# Altium PCB RSD_M1_HELMET_UNIT_POWER_V2.PcbDoc (part 1 of 2) (continued)
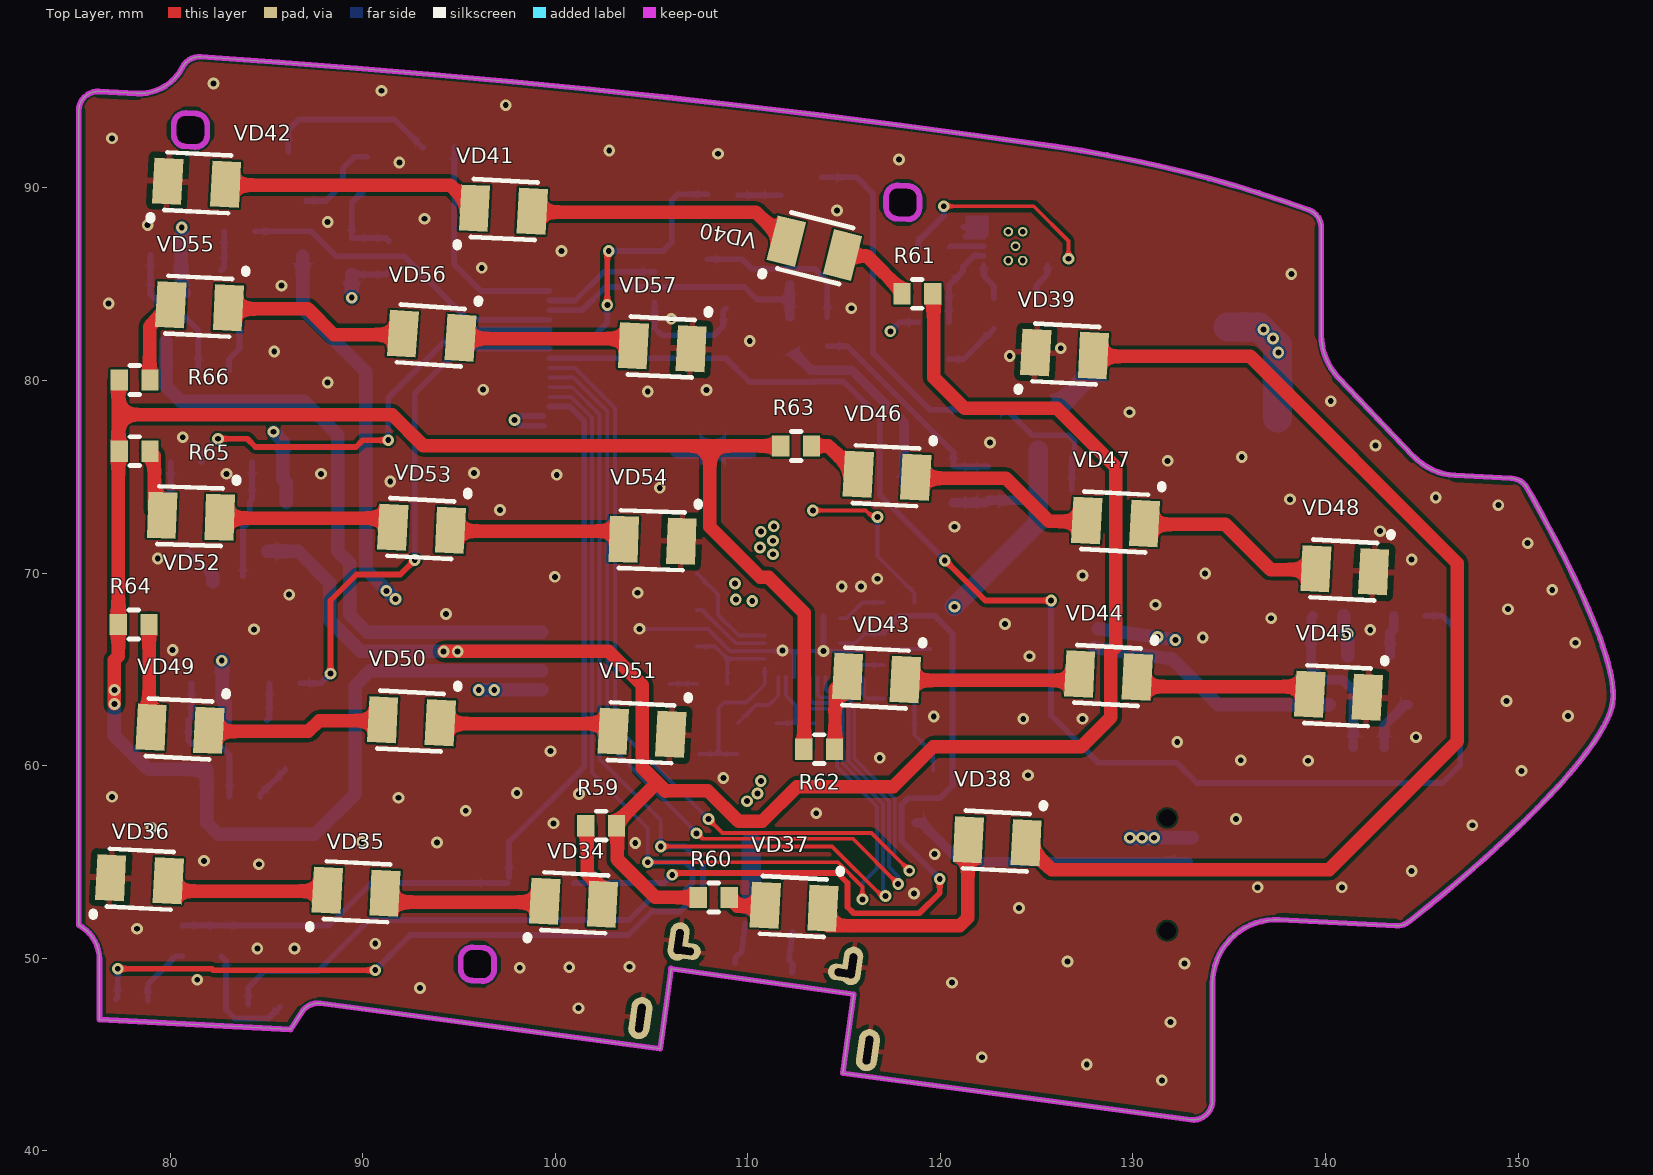
[diagram p0: Top Layer view]
## Design rules (kind name [scope] priority, off if disabled: settings)
Clearance [All] p1: gap=0.1 ignorepadtopadclearanceinfootprint=FALSE except(0: Arc-Hole Track-Hole SMDPad-Hole THPad-Hole Via-Hole Fill-Hole Poly-Hole Region-Hole Text-Hole; 0.2: Track-Poly; 0.254: THPad-THPad THPad-Via THPad-Fill THPad-Region THPad-Text Via-Via Via-Fill Via-Region Via-Text Fill-Fill Fill-Region Fill-Text Region-Region Region-Text Text-Text)
PolygonConnect [All] p1: thpad.connectstyle=Relief thpad.reliefconductorwidth=0.254 thpad.reliefentries=4 thpad.polygonreliefangle="90 Angle" thpad.airgapwidth=0.254 smdpad.connectstyle=Relief smdpad.reliefconductorwidth=0.3 smdpad.reliefentries=4 smdpad.polygonreliefangle="90 Angle" smdpad.airgapwidth=0.3 via.connectstyle=Direct via.reliefconductorwidth=0.254 via.reliefentries=4 via.polygonreliefangle="90 Angle" via.airgapwidth=0.254
RoutingVias [All] p1: holewidth=0.711 width=1.27 viastyle="Through Hole" minholewidth=0.711 minwidth=1.27 maxholewidth=0.711 maxwidth=1.27
SolderMaskExpansion [All] p1: expansion=0.102
Width [All] p1: maxlimit=2 minlimit=0.1 preferedwidth=0.3
30 further rules are at their usual default settings.

## Classes and differential pairs
component class RSD_M1_HELMET_UNIT_POWER_STOP_LIGHT_V2: R59 R60 R61 R62 R63 R64 R65 R66 VD34 VD35 VD36 VD37 VD38 VD39 VD40 VD41 VD43 VD44 VD45 VD46 VD47 VD48 VD49 VD50 VD51 VD52 VD53 VD54 VD55 VD56 VD57
component class RSD_M1_HELMET_UNIT_POWER_V2: C13 C14 C15 C16 C17 C18 C19 C20 C21 C22 C23 C24 DA2 DA3 L2 L3 R13 R14 R15 R16 R17 R18 R19 R20 R21 R22 R23 R24 R25 R28 R29 R30 R31 R32 R33 R34 R35 R36 R37 R38 R39 R40 R41 R42 R43 R44 R45 R46 R47 R48 R49 R50 R67 R68 R69 VD3 VD4 VD6 VD7 VD8 VD9 VT6 VT7 VT8 VT9 VT10 VT11 VT12 VT13 VT14 VT15 VT16 VT17 VT18 VT19 VT20 X4 X6 X7 X10

## Components (designator, comment, footprint, x,y, rotation, side; value= is the part's Value field where it differs from the comment)
C13 "Capacitor" CAP0603 117.85,68.7 r0 bottom value="100 nF"
C14 "Capacitor" CAP0603 113.4,70 r180 bottom value="1 uF"
C15 "47 uF" tantal_case_B 113.375,72.15 r0 bottom value=TPSC476K016R0350
C16 "22 uF" tantal_case_B 113.4,56.325 r0 bottom value=TAJB226K016RNJ
C17 "Capacitor" CAP0603 112.525,58.975 r180 bottom value="4.7 uF"
C18 "Capacitor" CAP0603 117.85,65.225 r180 bottom value="100 nF"
C19 "Capacitor" CAP0603 117.85,66.875 r180 bottom value="1 uF"
C20 "Capacitor" CAP0603 105.125,64.25 r0 bottom value="33 pF"
C21 "Capacitor_Polar" tantal_case_B 136.025,77.775 r180 bottom value="22 uF T491B226M016AT"
C22 "Capacitor" CAP0603 122.775,83.475 r270 bottom value="2.2 nF"
C23 "10 uF" tantal_case_A 129.55,80.55 r0 bottom value=TAJA106M016RNJ
C24 "Capacitor" CAP0603 124.975,83.475 r90 bottom value="10 nF"
DA2 "MP2639" MP2639 112.825,66.35 r270 bottom value=MP2639A
DA3 "MP3213" MP3213 123.9,86.975 r0 bottom
L2 "coil" LQH5BP 112.05,76.675 r180 bottom value="4.7 uH LQH5"
L3 "coil" inductor_SRP5015TA 129.525,85.55 r90 bottom value="4.7 uH SRP5015TA"
R13 "Resistor" Res0603 83,69.55 r0 bottom value="1 kOm"
R14 "Resistor" Res0603 85.05,75.75 r0 bottom value="1 kOm"
R15 "Resistor" Res0603 80.825,75.75 r0 bottom value="1 kOm"
R16 "Resistor" Res0603 111.475,61.4 r90 bottom value="27.4 kOm"
R17 "Resistor" Res0603 117.85,63.475 r180 bottom value="100 Om"
R18 "Resistor" Res0603 117.85,61.6 r0 bottom value="1 kOm"
R19 "Resistor" Res0603 113.475,61.4 r90 bottom value="10 kOm"
R20 "Resistor" Res0603 106.55,68.075 r0 bottom value="350 kOm"
R21 "Resistor" Res0603 106.55,69.975 r180 bottom value="200 kOm"
R22 "Resistor" Res0603 109.475,61.4 r90 bottom value="10 kOm"
R23 "Resistor" Res0603 83.875,58.375 r180 bottom value="1 kOm"
R24 "Resistor" Res0603 81.9,64.275 r0 bottom value="1 kOm"
R25 "Resistor" Res0603 108.15,64.25 r0 bottom value="10 kOm"
R28 "Resistor" Res0603 80.625,50.9 r90 bottom value="150 Om"
R29 "Resistor" Res0603 82.65,50.9 r90 bottom value="150 Om"
R30 "Resistor" Res0603 85.95,64.275 r0 bottom value="1 kOm"
R31 "Resistor" Res0603 106.55,66.175 r0 bottom value="40.2 kOm"
R32 "Resistor" Res0603 107.475,61.4 r270 bottom value="15 kOm"
R33 "Resistor" Res0603 82.25,80.5 r180 bottom value="1 kOm"
R34 "Resistor" Res0603 79.775,86.525 r0 bottom value="1 kOm"
R35 "Resistor" Res0603 83.6,87.75 r0 bottom value="1 kOm"
R36 "Resistor" Res0603 121.875,78.475 r0 bottom value="1 kOm"
R37 "Resistor" Res0603 125.925,74.325 r180 bottom value="1 kOm"
R38 "Resistor" Res0603 122.475,74.575 r270 bottom value="10 kOm"
R39 "Resistor" Res0603 114.15,82.5 r270 bottom value="1 kOm"
R40 "Resistor" Res0603 108.7,89.625 r180 bottom value="1 kOm"
R41 "Resistor" Res0603 105.15,84.85 r90 bottom value="1 kOm"
R42 "Resistor" Res0603 119.65,86.9 r0 bottom value="100 kOm"
R43 "Resistor" Res0603 119.65,83.025 r0 bottom value="86.6 kOm"
R44 "Resistor" Res0603 142.25,60.95 r180 bottom value="1 kOm"
R45 "Resistor" Res0603 140.15,67.775 r0 bottom value="1 kOm"
R46 "Resistor" Res0603 112.175,82.525 r270 bottom value="1 kOm"
R47 "Resistor" Res0603 144.35,67.775 r0 bottom value="1 kOm"
R48 "Resistor" Res0603 119.65,84.95 r180 bottom value="10 kOm"
R49 "Resistor" Res0603 112.125,85.775 r270 bottom value="1 kOm"
R50 "Resistor" Res0603 119.65,81.1 r180 bottom value="15 kOm"
R59 "Resistor" Res0603 102.375,56.875 r0 top value="200 Om"
R60 "Resistor" Res0603 108.225,53.15 r180 top value="200 Om"
R61 "Resistor" Res0603 118.8,84.5 r0 top value="200 Om"
R62 "Resistor" Res0603 113.7,60.85 r180 top value="200 Om"
R63 "Resistor" Res0603 112.5,76.6 r180 top value="200 Om"
R64 "Resistor" Res0603 78.1,67.325 r180 top value="200 Om"
R65 "Resistor" Res0603 78.15,76.325 r180 top value="200 Om"
R66 "Resistor" Res0603 78.15,80.025 r180 top value="200 Om"
R67 "Resistor" Res0603 90.225,90.825 r270 bottom value="1 kOm"
R68 "Resistor" Res0603 91.35,86.45 r270 bottom value="1 kOm"
R69 "Resistor" Res0603 93.95,92.1 r0 bottom value="1 kOm"
VD3 "Schottky" SMB1 106.425,74.425 r270 bottom value=STPS340U
VD4 "Diode" SMA-F 99.25,53.9 r0 bottom value=SS14
VD7 "LED" "LED 0603" 77.994,47.823 r267 bottom value=ASMT-CW00
VD8 "LED" "LED 0603" 84.859,47.528 r266 bottom value=ASMT-CW00
VD9 "Schottky" SMB1 134.7,84.775 r90 bottom value=STPS340U
VD34 "LED" 3528_LED 100.95,52.875 r177 top
VD35 "LED" 3528_LED 89.65,53.45 r177 top
VD36 "LED" 3528_LED 78.398,54.096 r177 top
VD37 "LED" 3528_LED 112.4,52.675 r357 top
VD38 "LED" 3528_LED 122.95,56.075 r357 top
VD39 "LED" 3528_LED 126.45,81.375 r177 top
VD40 "LED" 3528_LED 113.45,86.875 r166 top
VD41 "LED" 3528_LED 97.3,88.875 r177 top
VD42 "LED" 3528_LED 81.373,90.271 r177 top
VD43 "LED" 3528_LED 116.675,64.55 r357 top
VD44 "LED" 3528_LED 128.725,64.675 r357 top
VD45 "LED" 3528_LED 140.675,63.625 r357 top
VD46 "LED" 3528_LED 117.225,75.05 r357 top
VD47 "LED" 3528_LED 129.1,72.65 r357 top
VD48 "LED" 3528_LED 141,70.15 r357 top
VD49 "LED" 3528_LED 80.502,61.904 r357 top
VD50 "LED" 3528_LED 92.527,62.304 r357 top
VD51 "LED" 3528_LED 104.5,61.7 r357 top
VD52 "LED" 3528_LED 81.075,72.95 r358 top
VD53 "LED" 3528_LED 93.052,72.304 r357 top
VD54 "LED" 3528_LED 105.05,71.7 r358 top
VD55 "LED" 3528_LED 81.525,83.85 r357 top
VD56 "LED" 3528_LED 93.575,82.325 r356 top
VD57 "LED" 3528_LED 105.552,81.729 r357 top
VT6 "MOSFET-P" "SOT 23" 85.075,72.4 r270 bottom value=IRLML2244TRPBF
VT7 "NPN" "SOT 23" 80.9,72.4 r270 bottom value=BC847
VT8 "MOSFET-P" "SOT 23" 118.75,58.35 r270 bottom value=SI2301
VT9 "MOSFET-P" "SOT 23" 81.9,61.075 r270 bottom value=IRLML2244TRPBF
VT10 "NPN" "SOT 23" 85.975,61.075 r270 bottom value=BC847
VT11 "MOSFET-P" "SOT 23" 79.775,83.075 r270 bottom value=IRLML2244TRPBF
VT12 "NPN" "SOT 23" 83.6,84.45 r270 bottom value=BC847
VT13 "MOSFET-P" "SOT 23" 126.025,77.4 r90 bottom value=IRLML2244TRPBF
VT14 "NPN" "SOT 23" 112.775,90.575 r0 bottom value=BC847
VT15 "MOSFET-P" "SOT 23" 119.4,74.6 r180 bottom value=SI2301
VT16 "NPN" "SOT 23" 107.9,85.025 r90 bottom value=BC847
VT17 "MOSFET-P" "SOT 23" 140.2,64.425 r270 bottom value=IRLML2244TRPBF
VT18 "NPN" "SOT 23" 144.3,64.425 r270 bottom value=BC847
VT19 "MOSFET-P" "SOT 23" 88.15,86.45 r180 bottom value=IRLML2244TRPBF
VT20 "NPN" "SOT 23" 87.075,90.6 r270 bottom value=BC847
X4 "FPC_connector_5_1" FPC_5_1 96.3,65.425 r90 bottom value=0522070560
X5 "FPC_connector_4_1" FPC_4_1 131.05,66.2 r262 bottom value=0522070433
X6 "UCB-C" USB-C 110.325,46.05 r172 bottom value="UCB-C (A124378CT-ND)"
X7 "FPC_connector_16" FPC_16_0.5 97.95,81.4 r90 bottom value=0527461671
X10 "BATTERY" BAT_CONN 131.725,54.4 r90 bottom value=DF13-4P-1.25H

## Footprints (in the part's own frame and the unit in brackets; to place one, negate y for a bottom-side part, rotate by r counter-clockwise, add the part's x,y. Pads: shape width x height; smd on the part's side, far side on the other; paste and mask are expansions set on the pad)
3528_LED [mm]
  rect 1.5x2.4 smd: 1(1.5,0) 2(-1.5,0)
  silkscreen extent -1.7,-1.5 2.3,2, body extent -1.75,-1.4 1.75,1.4, height 1.9
BAT_CONN [mm]
  rrect50% 2x2 smd: 0(-4.3,-1.9) 0(4.3,-1.9)
  rrect50% 0.8x2 smd: 1(-1.95,1.35) 2(-0.675,1.35) 3(0.6,1.35) 4(1.85,1.35)
  round 0 hole 0.9: 5(-2.975,0.05) 5(2.875,0.05)
  silkscreen extent -5.6,-4.7 5.6,2.7, body extent -4.87,-4.55 4.78,1.95, height 3.58
CAP0603 [mm]
  rect 0.9x1.1 smd: 1(-0.8,0) 2(0.8,0)
  silkscreen extent -0.1,-0.58 0.1,0.58, body extent -0.85,-0.43 0.85,0.43, height 0.9
FPC_4_1 [mm]
  rect 2x2 smd: 0(-4.25,0.75) 0(4.25,0.75)
  oval 0.7x3 smd: 1(-1.5,3) 2(-0.5,3) 3(0.5,3) 4(1.5,3)
  silkscreen extent -5.75,-4 5.75,5, body extent -5.15,-3.8 5.15,3.8, height 2.7
FPC_5_1 [mm]
  rect 2x2 smd: 0(-4.3,0.8) 0(5.3,0.8)
  oval 0.7x3 smd: 1(-1.5,3) 2(-0.5,3) 3(0.5,3) 4(1.5,3) 5(2.5,3)
  silkscreen extent -5.75,-4 6.8,5, body extent -5.15,-3.8 6.15,3.8, height 2.7
FPC_16_0.5 [mm]
  rect 2x2 smd: 0(-6,0.25) 0(6,0.25)
  oval 0.3x1.524 smd: 1(-3.75,1.75) 2(-3.25,1.75) 3(-2.75,1.75) 4(-2.25,1.75) 5(-1.75,1.75) 6(-1.25,1.75) 7(-0.75,1.75) 8(-0.25,1.75) 9(0.25,1.75) 10(0.75,1.75) 11(1.25,1.75) 12(1.75,1.75) 13(2.25,1.75) 14(2.75,1.75) 15(3.25,1.75) 16(3.75,1.75)
  silkscreen extent -7.25,-3.25 7.25,2.75, body extent -7.05,-3.05 7.05,1.95, height 2
inductor_SRP5015TA [mm]
  rect 2x3 smd: 1(-2.25,0) 2(2.25,0)
  silkscreen extent -3.13,-2.88 3.13,2.75, body extent -2.85,-2.6 2.85,2.6, height 1.28
"LED 0603" [mm]
  rect 0.8x0.8 smd: 1(-0.005,0.808) 2(-0.005,-0.842)
  silkscreen extent -0.7,-0.2 0.7,0.2, body extent -0.37,-0.84 0.36,0.81, height 0.68
LQH5BP [mm] "Precision Wire Wound Inductor, 2-Leads, Body 5,00x5,00mm, IPC Medium Density"
  rect 2.25x4.4 smd: 1(-2.075,0) 2(2.075,0)
  silkscreen extent -2.6,-2.6 2.6,2.6, body extent -2.6,-2.5 2.6,2.5, height 2.3
MP2639 [mm]
  rect 1.8x0.3 smd: 1(-1.4,1.1) 2(-1.4,0.55) 3(-1.4,0) 4(-1.4,-0.55) 5(-1.4,-1.1)
  rect 0.3x0.7 smd mask+0.08: 6(-1.3,-1.95) 12(1.3,-1.95) 20(1.3,1.95) 26(-1.3,1.95)
  rect 0.2x0.7 smd mask+0.08: 7(-0.8,-1.95) 8(-0.4,-1.95) 9(0,-1.95) 10(0.4,-1.95) 11(0.8,-1.95) 21(0.8,1.95) 22(0.4,1.95) 23(0,1.95) 24(-0.4,1.95) 25(-0.8,1.95)
  rect 1.05x0.2 smd mask+0.08: 13(1.775,-1.2) 14(1.775,-0.8) 15(1.775,-0.4) 16(1.775,0) 17(1.75,0.425) 18(1.75,0.85) 19(1.75,1.25)
  silkscreen extent -3.4,-2.63 2.63,2.63, body extent -2,-2 2,2, height 0.75
MP3213 [mm] "QFN, 10-Leads, Body 3,00x3,00mm, Pitch 0,50mm, Thermal Pad 1,59x2,40mm, IPC Medium Density"
  round 0.5 hole 0.3: 0(-0.375,-0.75) 0(-0.375,0.75) 0(0,0) 0(0.375,-0.75) 0(0.375,0.75)
  oval 0.65x0.35 smd: 1(-1.65,1) 2(-1.65,0.5) 3(-1.65,0) 4(-1.65,-0.5) 5(-1.65,-1) 6(1.65,-1) 7(1.65,-0.5) 8(1.65,0) 9(1.65,0.5) 10(1.65,1)
  rect 1.59x2.4 smd: 11(0,0)
  silkscreen extent -2.47,-1.7 1.7,1.7, body extent -1.56,-1.55 1.56,1.55, height 1
Res0603 [mm]
  rect 0.9x1.1 smd: 1(-0.8,0) 2(0.8,0)
  silkscreen extent -0.25,-0.75 0.25,0.75, body extent -0.85,-0.43 0.85,0.43, height 0.5
SMA-F [mm] "Molded Diode, 2-Leads, Body 4,30x2,70mm, IPC Medium Density"
  rect 2.75x1.55 smd: 1(-1.725,0) 2(1.725,0)
  silkscreen extent -3.07,-1.45 2.3,1.45, body extent -2.52,-1.45 2.52,1.45, height 2.4
SMB1 [mm] "Molded Diode, 2-Leads, Body 4,25x3,60mm, IPC Medium Density"
  rect 2.1x2.15 smd: 1(-2,0) 2(2,0)
  silkscreen extent -3.02,-1.95 2.25,1.95, body extent -2.47,-1.95 2.47,1.95, height 1.8
"SOT 23" [mm] "SOT23, 3-Leads, Body 2,90x2,45mm, Pitch 0,95mm, IPC Medium Density"
  rect 1.15x0.75 smd: 1(-1.275,0.95) 2(-1.275,-0.95) 3(1.275,0)
  silkscreen extent -1.4,-1.5 0.7,2, body extent -1.3,-1.5 1.3,1.5, height 1.1
tantal_case_A [mm]
  rect 1.7x1.3 smd: 1(-1.524,0) 2(1.524,0)
  silkscreen extent -1.52,-0.89 1.52,0.89, body extent -1.6,-0.8 1.6,0.8, height 1.8
tantal_case_B [mm]
  rect 2x2.5 smd: 1(-1.75,0) 2(1.75,0)
  silkscreen extent -1.78,-1.52 1.78,1.52, body extent -1.75,-1.4 1.75,1.4, height 2.1
USB-C [mm]
  rect 0.3x0.8 smd: A1(-2.75,4.63) A2(-2.25,4.63) A3(-1.75,4.63) A4(-1.25,4.63) A5(-0.75,4.63) A6(-0.25,4.63) A7(0.25,4.63) A8(0.75,4.63) A9(1.25,4.63) A10(1.75,4.63) A11(2.25,4.63) A12(2.75,4.63) B1(3,3.43) B2(2.5,3.43) B3(2,3.43) B4(1.5,3.43) B5(1,3.43) B6(0.5,3.43) B7(-0.5,3.43) B8(-1,3.43) B9(-1.5,3.43) B10(-2,3.43) B11(-2.5,3.43) B12(-3,3.43)
  oval 1.008x2.016 hole 0.4 slot 1.3 at 90 deg: P1_1(-4.55,4.22) P2_1(4.55,4.22)
  oval 1.716x0.858 hole 0.4 slot 1 at 0 deg: P1_2(-4.191,3.795) P2_2(4.191,3.795)
  oval 1.1x2.2 hole 0.4 slot 1.5 at 90 deg: P4(-5.97,0) P5(5.97,0)
  silkscreen extent -5.45,-1.25 5.45,5.89, body extent -6.04,-3.18 6.1,4.92, height 2.45

## Part data
C15 C16 C23: library part Capacitor_Polar
X10: library part SWDIO, 1=GND, 3=MID, 4=BAT
L2: PN=LQH5BPB4R7NT0L
X4: 1="цепь 1", 2="цепь 2", 3="цепь 3", 4="цепь 4", 5="цепь 5"
X5: 1=GND, 2=ГАБАРИТ, 3=ЛЕВЫЙ, 4=GND
X7: 1=цепь_1, 2=цепь_2, 3=цепь_3, 4=цепь_4, 5=цепь_5, 6=цепь_6, 7=цепь_7, 8=цепь_8, 9=цепь_9, 10=цепь_10, 11=цепь_11, 12=цепь_12, 13=цепь_13, 14=цепь_14, 15=цепь_15, 16=цепь_16

## Via types
v1: diameter 0.61, hole 0.305, Top Layer to Bottom Layer, tented both sides, 177 vias
v2: diameter 0.61, hole 0.305, Top Layer to Bottom Layer, tented top, 6 vias

## Nets (pads, with @x,y where several pads share a name; then routed paths per layer and width w, separated by ;. In a path a pad name is that pad's centre, name@x,y a point inside that pad or via, vN(x,y) a via of type N, cw(c..) or ccw(c..) an arc to the next point about the centre after c; other vN are vias at no path point)
3.3V: 
12V: C21.1 R14.2 R24.2 R34.2 R43.1 R45.2 R68.2 VD9.1 VT6.2 VT9.2 VT11.2 VT17.2 VT19.2 | length 25
  Bottom Layer w0.3: VT19.2@89.425,85.5 91.2,85.5 R68.2@91.35,85.65 ; v1(117.4,82.55) 117.875,83.025 R43.1@118.85,83.025 ; VD9.1@134.7,82.775 VD9.1@134.925,82.775 ; C21.1@137.5,78.05 C21.1@137.775,77.775
  Bottom Layer w0.7: v1(80.6,87.95) 80.6,86.725 80.575,86.7 R34.2@80.575,86.525 80.575,84.7 VT11.2@80.725,84.55 ; v1@82.7,65.5 R24.2@82.7,64.275 82.7,63.425 82.85,63.275 VT9.2@82.85,62.35 ; v1(85.362,77.338) 85.85,76.85 R14.2@85.85,75.75 85.85,74.875 86.025,74.7 VT6.2@86.025,73.675 ; v1(89.425,84.3) VT19.2@89.425,85.5 ; R45.2@140.95,67.775 140.95,67.05 v1(141.15,66.85) VT17.2@141.15,65.7
  Bottom Layer w1.5: VD9.1@134.925,82.775 136.55,82.775 137.5,81.825 C21.1@137.5,78.05
  other v1: 82.675,65.45 137.55,81.45 137.275,82.175 136.775,82.65
BAT: C14.2 C15.1 DA2.3 R37.2 R38.2 VT13.2 VT15.2 X7.1 X7.2 X10.4 | length 74.6
  PWR w0.5: v1(97.875,77.95) 105.6,77.95 111.113,72.438 111.113,72.188 111.525,71.775 111.775,71.525 117.45,71.525
  PWR w1.2: 110.95,71.775 111.35,71.775 111.525,71.775 117.2,71.775 117.45,71.525 121.95,67.025 121.95,58.675 124.425,56.2 v1@131.1,56.2
  Bottom Layer w0.3: X7.2@99.375,78.15 98.2,78.15 97.95,77.9 98.2,77.65 X7.1@99.425,77.65
  Bottom Layer w0.5: VT15.2@120.675,73.65 122.35,73.65 R38.2@122.475,73.775 124.975,73.775 125.075,73.675
  Bottom Layer w0.7: v1(131.1,56.25) X10.4@133.075,56.25
  Bottom Layer w0.8: v1(129.85,56.25) v1(130.475,56.25) v1(131.1,56.25)
  Bottom Layer w1: v2@120.712,68.263 125.075,72.625 125.075,73.675 VT13.2@125.075,76.375
  other v2: 120.725,68.25 111.3,70.975 110.625,71.325 111.3,71.675 110.675,72.15 111.35,72.425
BAT-CHECK: 
BAT-LVL: 
BAT_CHECK: R41.2 X7.14 | length 6.1
  Bottom Layer w0.3: X7.14@99.7,84.15 101.025,84.15 102.525,85.65 R41.2@105.15,85.65
BAT_LVL: R46.1 R49.2 X7.13 | length 14.9
  Bottom Layer w0.3: X7.13@99.7,83.65 101.4,83.65 102.6,84.85 109.825,84.85 110.475,84.2 112.175,84.2
  Bottom Layer w0.5: R46.1@112.175,83.325 112.175,84.2 R49.2@112.175,84.975
CE: 
CONECT_BTN_PIN: 
CSN: 
EN-12V: 
EN_3.3V_MCU: 
EN_12V: R40.2 X7.10 | length 14.7
  Top Layer w0.3: v1(102.7,83.925) 102.7,86.65 v1(102.775,86.725)
  Bottom Layer w0.3: X7.10@99.7,82.15 101.85,82.15 102.7,83 v1(102.7,83.925) ; v1(102.775,86.725) 105.6,86.725 106.05,87.175 106.05,89.35 106.375,89.675 R40.2@107.9,89.675
GABARIT: R59.2 R60.2 R61.2 VT6.3 X4.3 | length 99.2
  Top Layer w0.7: v1(94.2,65.925) v1(94.925,65.925) 102.775,65.925 104.525,64.175 104.525,59.875 105.725,58.675 ; 105.175,59 103.225,57.05 103.225,55.125 105.2,53.15 R60.2@107.4,53.15 ; 105.725,58.7 107.915,58.7 109.515,57.1 110.75,57.1 112.55,58.9 117.55,58.9 119.625,60.975 127.325,60.975 128.85,62.5 128.85,65.9 129.115,66.165 129.115,75.485 126.05,78.55 121.25,78.55 119.65,80.15 R61.2@119.65,84.6
  Bottom Layer w0.7: VT6.3@85.075,71.125 86.65,71.125 88.275,69.5 88.275,67.55 89.9,65.925 X4.3@99.3,65.925
GABARIT-MCU: 
GABARIT_2: VT19.3 X4.1 X5.2 | length 91.7
  PWR w0.7: v1(91.225,69.075) 91.7,68.6 91.7,65.375 93.15,63.925 v1(96.025,63.925) v1(96.825,63.925) 99.5,63.925 106.35,57.075 106.35,56.175 106.875,55.65 118.525,55.65 119.375,56.5 121.075,56.5 123.025,54.55 132.575,54.55 133.75,55.725 133.75,64.975 v1(132.2,66.525) 132.05,66.675 v1(131.275,66.675)
  Bottom Layer w0.7: VT19.3@86.875,86.45 86.875,83.725 90.15,80.45 90.15,70.2 v1(91.7,68.65) ; v1(96.025,63.925) v1(96.825,63.925) X4.1@99.3,63.925 ; X5.2@128.199,67.113 131.273,66.662 131.7,66.599 v1(132.2,66.525) v1@132.212,66.524
GABARIT_2_MCU: R69.2 X7.15 | length 11.6
  Bottom Layer w0.3: R69.2@94.75,92.1 94.75,86.025 96.125,84.65 X7.15@99.7,84.65
GABARIT_MCU: R15.2 X7.11 | length 22.8
  Top Layer w0.3: v1(82.475,76.975) 84,76.975 84.425,76.55 89.65,76.55 90,76.9 v1(91.325,76.9)
  Bottom Layer w0.3: R15.2@81.625,75.75 81.625,76.1 82.475,76.95 v1(82.475,76.975) ; v1(91.325,76.9) 91.325,79.1 94.875,82.65 X7.11@99.7,82.65
GND: C14.1 C15.2 C16.2 C17.1 C18.1 C19.1 C20.1 C21.2 C23.2 C24.1 DA2.5 DA2.8 DA2.10 DA2.17 DA2.22 DA3.4 DA3.5 R18.1 R19.1 R20.1 R21.2 R31.1 R32.1 R48.2 R49.1 R50.2 VD3.2 VD36.1 VD39.1 VD42.1 VD45.1 VD48.1 VD51.1 VD54.1 VD57.1 VT7.2 VT8.1 VT10.2 VT12.2 VT14.2 VT16.2 VT18.2 VT20.2 X4.0 X4.5 X5.0 X5.1 X5.4 X6.A1 X6.A12 X6.B1 X6.B12 X6.P1_1 X6.P1_2 X6.P2_1 X6.P2_2 X6.P4 X6.P5 X7.0 X7.16 X10.0 X10.1 | length 21
  Bottom Layer w0.2: v1@104.625,67.1 107.925,67.1 109.075,65.95 DA2.22@110.875,65.95 112.4,65.95 ; DA2.17@112.4,64.6 112.4,65.95 ; 113.925,66.425 v1(113.925,65.95) ; 119.475,66.05 116,66.05 115.9,65.95 DA2.10@114.775,65.95 v1(113.925,65.95) ; 112.4,65.95 v1(113.925,65.95)
  Bottom Layer w0.3: 113.925,66.425 DA2.5@113.925,67.75 ; 121.2,87.975 DA3.5@122.25,87.975 DA3.4@122.25,87.475 121.3,87.475
  other v1: 131.5,43.65 127.6,44.475 122.15,44.85 131.95,46.675 101.2,47.4 92.975,48.45 120.6,48.725 81.4,48.875 98.15,49.5 100.725,49.525 103.85,49.55 132.675,49.725 126.6,49.825 84.525,50.5 86.45,50.5 90.65,50.75 78.275,51.525 124.075,52.6 118.625,53.35 136.475,53.675 140.85,53.675 144.475,54.525 84.6,54.875 81.75,55.05 119.7,55.4 104.15,55.975 93.85,56 89.95,56.025 79.025,56.775 147.625,56.9 99.9,57 135.35,57.225 113.55,57.525 95.35,57.65 91.85,58.325 76.975,58.375 101.225,58.525 98,58.575 108.725,59.35 124.55,59.5 150.175,59.725 139.1,60.25 135.6,60.275 116.85,60.4 99.75,60.75 132.3,61.225 144.7,61.475 124.3,62.425 127.375,62.425 119.65,62.55 152.6,62.575 149.4,63.35 124.625,65.675 111.8,65.975 80.125,66 152.975,66.375 133.625,66.65 142.325,67.05 84.35,67.075 104.375,67.1 123.35,67.35 137.175,67.65 94.325,67.875 149.475,68.125 131.175,68.35 86.175,68.875 104.275,68.975 151.775,69.125 114.875,69.3 115.875,69.3 116.725,69.7 99.975,69.8 127.375,69.875 133.75,69.975 144.475,70.7 79.35,70.75 150.5,71.55 142.825,72.175 120.725,72.4 97.125,73.275 148.975,73.525 138.15,73.825 145.725,73.925 105.425,74.425 91.425,74.75 100.075,75.1 82.925,75.15 87.825,75.15 95.775,75.2 131.8,75.825 135.65,76.025 142.6,76.625 122.575,76.775 80.65,77.05 129.825,78.35 140.275,78.925 104.8,79.425 107.85,79.5 96.25,79.525 88.175,79.9 123.6,81.275 85.4,81.5 126.25,81.675 110.1,82.05 106.025,83.2 115.375,83.75 76.8,84 85.775,84.925 138.225,85.525 96.175,85.85 100.325,86.725 78.825,88.075 88.175,88.225 93.2,88.4 114.625,88.825 91.9,91.325 117.85,91.475 108.45,91.775 102.8,91.95 76.975,92.575 97.425,94.3 90.975,95.05 82.25,95.425
IRQ: 
LED1: DA2.13 X7.7 | length 51.4
  Top Layer w0.2: v1(107.95,57.225) 108.675,56.5 116.425,56.5 v1(118.388,54.537)
  Bottom Layer w0.2: X7.7@99.7,80.65 101.013,80.65 103.1,78.563 103.1,62.075 v1(107.95,57.225) ; DA2.13@114.025,64.575 114.025,63.975 114.15,63.85 114.823,63.85 115.525,63.148 115.525,60.375 117.625,58.275 117.625,55.3 v1(118.388,54.537)
LED2: DA2.14 X7.6 | length 52.1
  Top Layer w0.2: v1(107.33,56.478) 107.372,56.478 107.65,56.2 115.458,56.2 v1(117.806,53.853)
  Bottom Layer w0.2: X7.6@99.7,80.15 100.947,80.15 102.7,78.397 102.7,61.15 107.33,56.52 v1(107.33,56.478) ; DA2.14@113.625,64.575 113.625,63.675 113.75,63.55 114.699,63.55 115.225,63.024 115.225,60.225 117.325,58.125 117.325,54.725 117.806,54.244 v1(117.806,53.853)
LED3: DA2.15 VD7.1 X7.5 | length 91
  Top Layer w0.2: v1(105.475,55.8) 114.375,55.8 116.95,53.225 v1(117.15,53.225)
  Top Layer w0.3: v1(77.275,49.45) 82.15,49.45 82.225,49.375 v1(90.65,49.375)
  Bottom Layer w0.2: X7.5@99.7,79.65 100.881,79.65 102.3,78.231 102.3,60.35 105.475,57.175 v1(105.475,55.8) ; DA2.15@113.225,64.575 113.225,63.4 113.375,63.25 114.574,63.25 114.925,62.899 114.925,60.1 117.025,58 117.025,53.35 v1(117.15,53.225)
  Bottom Layer w0.3: VD7.1@77.188,47.87 77.275,47.958 v1(77.275,49.45) ; v1(90.65,49.375) 92.475,51.2 103.8,51.2 105.025,52.425 106.475,52.425 107.675,53.625 107.675,54.85 106.725,55.8 v1(105.475,55.8)
LED4: DA2.16 VD8.1 X7.4 | length 82.9
  Top Layer w0.2: v1(104.8,54.975) 114.675,54.975 115.95,53.7 v1(115.95,53.05)
  Bottom Layer w0.2: X7.4@99.7,79.15 100.816,79.15 101.9,78.066 101.9,59.625 104.8,56.725 v1(104.8,54.975) ; DA2.16@112.825,64.575 112.825,63.275 113.15,62.95 114.45,62.95 114.625,62.775 114.625,59.95 116.7,57.875 116.7,54.65 115.95,53.9 v1(115.95,53.05)
  Bottom Layer w0.3: VD8.1@84.054,47.59 84.054,48.479 84.9,49.325 87.669,49.325 90.319,51.975 103.825,51.975 104.925,53.075 106.3,53.075 107.125,53.9 107.125,54.6 106.75,54.975 v1(104.8,54.975)
LED_1: 
LED_2: 
LED_3: 
LED_4: 
LED_POWER: R28.2 R29.2 VD4.1 X7.3 | length 45.2
  Bottom Layer w0.3: R28.2@80.625,51.7 R29.2@82.65,51.7 88.25,51.7 90.45,53.9 VD4.1@97.525,53.9 ; VD4.1@97.6,54.2 97.6,56.025 101.5,59.925 101.5,77.9 100.75,78.65 X7.3@99.7,78.65
LEFT: VT17.3 X5.3 | length 13.2
  Bottom Layer w0.7: X5.3@128.01,66.122 132.023,65.534 ; 132.025,65.55 134.425,63.15 VT17.3@140.2,63.15
LEFT-MCU: 
LEFT_MCU: R47.2 X7.8 | length 71.7
  Top Layer w0.3: v1(120.225,70.65) 120.25,70.65 122.325,68.575 v1(125.75,68.575)
  Bottom Layer w0.3: X7.8@99.7,81.15 108.85,81.15 110.079,79.921 113.404,79.921 113.432,79.95 114.975,79.95 116.85,78.075 116.85,74.05 v1@120.237,70.663 ; v1@125.75,68.55 125.75,62.6 128.2,60.15 132.275,60.15 133.325,59.1 146.075,59.1 147,60.025 147,66.85 146.075,67.775 R47.2@145.15,67.775
MID_BAT: VT8.3 X10.3 | length 15
  Bottom Layer w0.5: VT8.3@118.75,57.025 119.025,57.025 121.05,55 X10.3@132.875,55
MISO: 
MOSI: 
NetC2_2: 
NetC3_2: 
NetC8_1: 
NetC9_1: 
NetC9_2: 
NetC13_1: C13.1 DA2.6 | length 2.6
  Bottom Layer w0.2: DA2.6@114.775,67.65 115.125,67.65 115.95,68.475 C13.1@117.05,68.475
NetC13_2: C13.2 DA2.4 L2.1 | length 8.7
  Top Layer w0.2: v1(113.375,73.25) 116.125,73.25 116.471,72.904 v1(116.731,72.904)
  Bottom Layer w0.2: v1(116.731,72.904) 116.731,70.869 118.65,68.95 C13.2@118.65,68.7 C13.2@118.65,68.475
NetC18_2: C18.2 DA2.11 | length 2.4
  Bottom Layer w0.2: DA2.11@114.775,65.55 115.625,65.55 115.95,65.225 C18.2@117.05,65.225
NetC19_2: C19.2 DA2.9 VD4.2 | length 44.5
  Top Layer w0.3: v1(106.075,54.325) 106.175,54.425 114.65,54.425 115.175,53.9 115.175,52.65 115.5,52.325 118.9,52.325 119.962,53.387 v1(119.962,54.113)
  Bottom Layer w0.2: DA2.9@114.775,66.35 115.575,66.35 116.075,66.85 C19.2@117.05,66.85
  Bottom Layer w0.3: VD4.2@100.975,53.9 105.65,53.9 v1(106.075,54.325) ; C19.2@117.05,66.875 117.05,66.975 117.85,67.775 119.7,67.775 120.625,66.85 120.625,58.95 119.975,58.3 118.325,58.3 117.975,57.95 117.975,56.1 v1(119.962,54.113)
NetC20_2: C20.2 R25.1 | length 1.4
  Bottom Layer w0.2: C20.2@105.925,64.25 R25.1@107.35,64.25
NetC22_1: C22.1 DA3.1 | length 1.9
  Bottom Layer w0.3: DA3.1@122.25,85.975 122.25,85.425 122.775,84.9 C22.1@122.775,84.275
NetC22_2: C22.2 R50.1 | length 3
  Bottom Layer w0.3: R50.1@120.45,81.1 121.2,81.1 C22.2@122.775,82.675
NetC23_1: C23.1 DA3.8 DA3.9 L3.1 R42.1 VT13.3 | length 13.6
  Top Layer w0.2: v1(120.175,89.05) 124.85,89.05 126.65,87.25 v1(126.65,86.325)
  Bottom Layer w0.3: R42.1@118.85,86.9 118.85,87.225 120.175,88.55 v1(120.175,89.05) ; VT13.3@126.025,78.675 VT13.3@126.151,78.675
  Bottom Layer w1: VT13.3@126.151,78.675 C23.1@128.026,80.55
NetC24_2: C24.2 DA3.10 | length 1.9
  Bottom Layer w0.3: C24.2@124.975,84.275 124.975,84.925 125.55,85.5 DA3.10@125.55,85.975
NetDA1_1: 
NetDA1_5: 
NetDA2_2: DA2.2 L2.2 VD3.1 | length 4
  Bottom Layer w0.2: L2.2@110,76.425 L2.2@110.325,76.1
  Bottom Layer w1: VD3.1@106.425,76.425 L2.2@110,76.425
NetDA2_12: DA2.12 R17.2 | length 3.4
  Bottom Layer w0.2: DA2.12@114.775,65.05 115.425,65.05 116,64.475 116,63.65 116.175,63.475 R17.2@117.05,63.475